# Altium PCB PANNEL-BOARD.PcbDoc
Units mil, origin at the board's own origin, x right, y up, seen from the top; angles counter-clockwise.
Board outline 2283.74 x 2984.53 mil, 2 copper layers (Top Layer, Bottom Layer); 4 components, 0 nets, 4 pads, 0 vias.
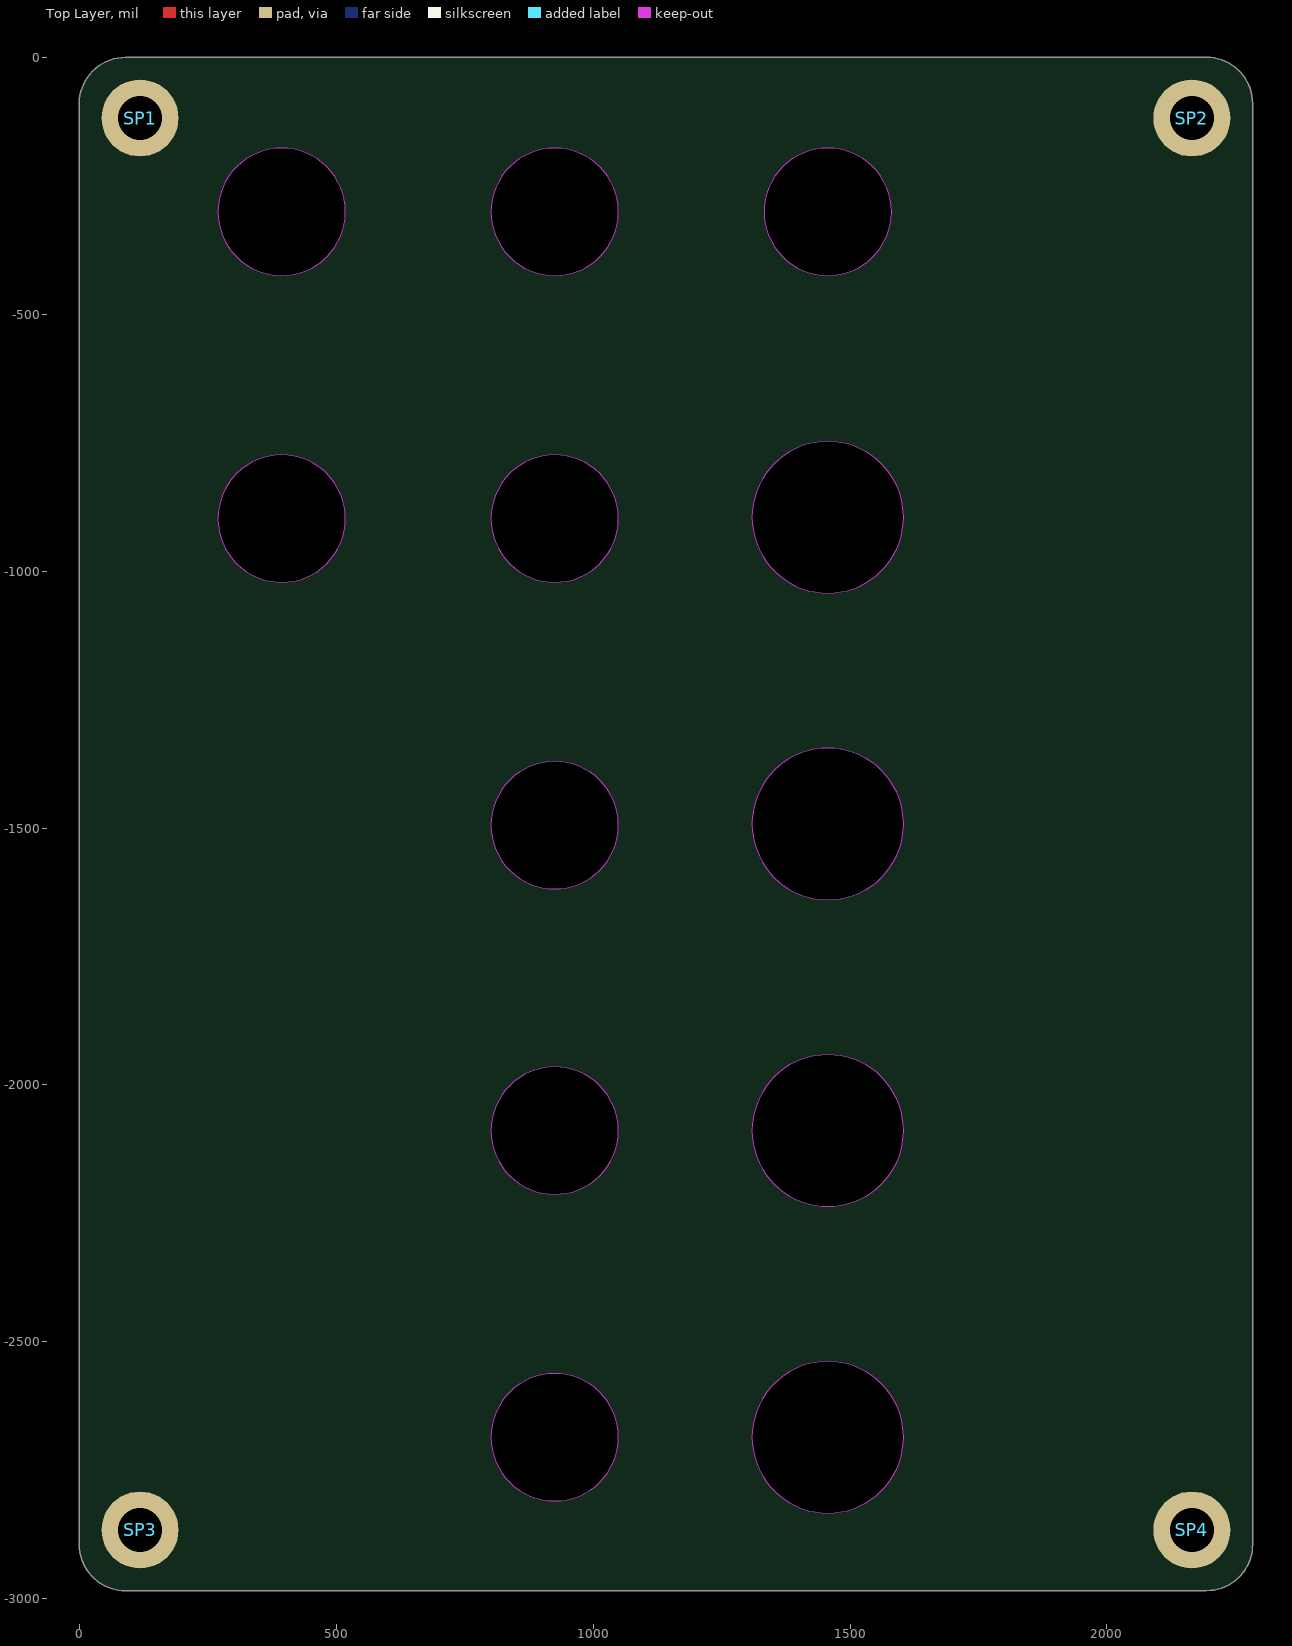
[diagram p0: Top Layer view]
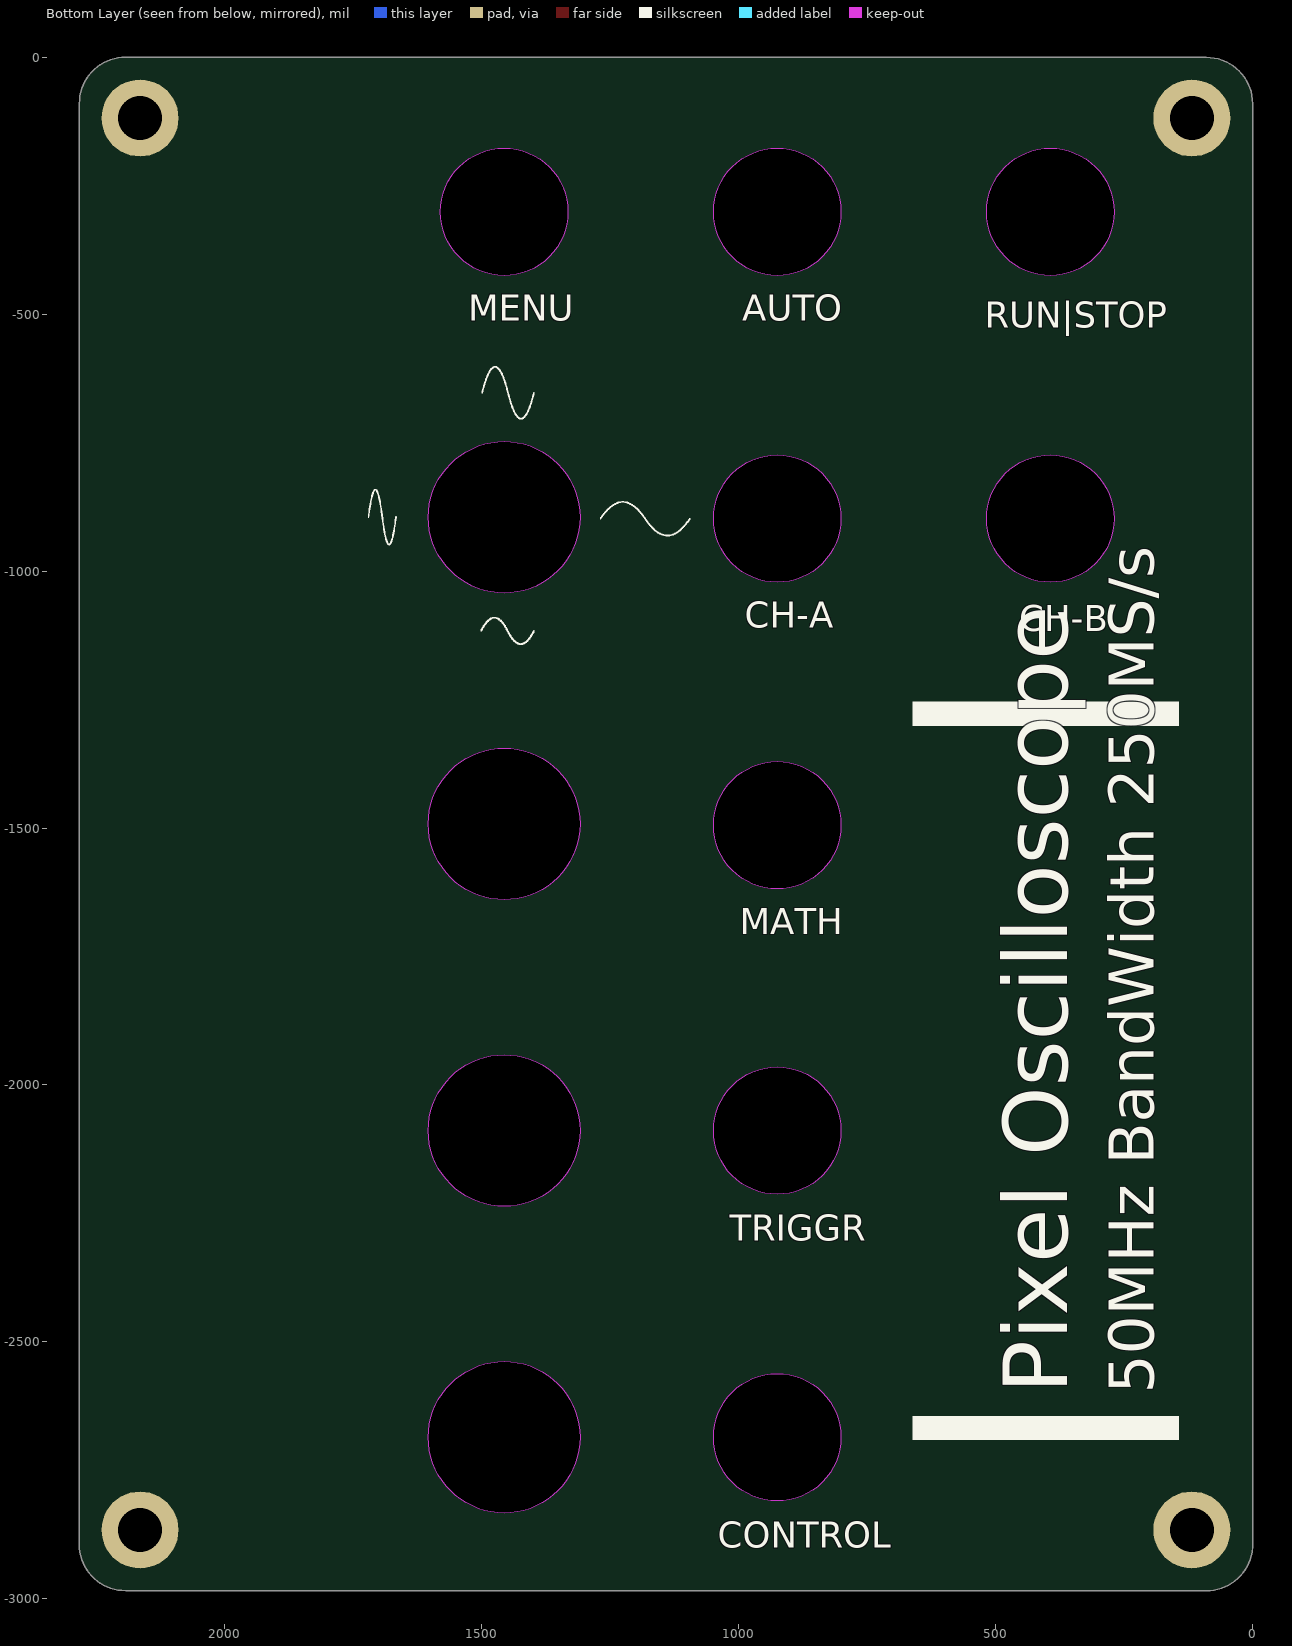
[diagram p1: Bottom Layer view, seen from below]

## Layer stack, top to bottom
Top Solder: solder mask 0.4, Solder Resist, Dk 3.5
Top Layer: signal copper 1.4
Dielectric 1: dielectric 12.6, FR-4, Dk 4.8
Bottom Layer: signal copper 1.4
Bottom Solder: solder mask 0.4, Solder Resist, Dk 3.5

## Board outline
-0.14,-2894.25 ccw(c90,-2894.25) 90,-2984.39 2193.46,-2984.25 ccw(c2193.53,-2894.18) 2283.6,-2894.25 2283.46,-90 ccw(c2193.4,-89.93) 2193.46,0.14 90,0 ccw(c89.93,-90.07) -0.14,-90
cut-out: 1332.68,-300.79 ccw(c1456.69,-300.79) 1456.69,-424.8 ccw(c1456.69,-300.79) 1580.71,-300.79 ccw(c1456.69,-300.79) 1456.69,-176.77 ccw(c1456.69,-300.79)
cut-out: 269.69,-300.79 ccw(c393.7,-300.79) 393.7,-424.8 ccw(c393.7,-300.79) 517.72,-300.79 ccw(c393.7,-300.79) 393.7,-176.77 ccw(c393.7,-300.79)
cut-out: 801.18,-300.79 ccw(c925.2,-300.79) 925.2,-424.8 ccw(c925.2,-300.79) 1049.21,-300.79 ccw(c925.2,-300.79) 925.2,-176.77 ccw(c925.2,-300.79)
cut-out: 269.69,-897.64 ccw(c393.7,-897.64) 393.7,-1021.65 ccw(c393.7,-897.64) 517.72,-897.64 ccw(c393.7,-897.64) 393.7,-773.62 ccw(c393.7,-897.64)
cut-out: 801.18,-897.64 ccw(c925.2,-897.64) 925.2,-1021.65 ccw(c925.2,-897.64) 1049.21,-897.64 ccw(c925.2,-897.64) 925.2,-773.62 ccw(c925.2,-897.64)
cut-out: 801.18,-1494.49 ccw(c925.2,-1494.49) 925.2,-1618.5 ccw(c925.2,-1494.49) 1049.21,-1494.49 ccw(c925.2,-1494.49) 925.2,-1370.47 ccw(c925.2,-1494.49)
cut-out: 801.18,-2088.83 ccw(c925.2,-2088.83) 925.2,-2212.85 ccw(c925.2,-2088.83) 1049.21,-2088.83 ccw(c925.2,-2088.83) 925.2,-1964.82 ccw(c925.2,-2088.83)
cut-out: 801.18,-2685.68 ccw(c925.2,-2685.68) 925.2,-2809.7 ccw(c925.2,-2685.68) 1049.21,-2685.68 ccw(c925.2,-2685.68) 925.2,-2561.67 ccw(c925.2,-2685.68)
cut-out: 1309.05,-2685.69 ccw(c1456.69,-2685.69) 1456.69,-2833.33 ccw(c1456.69,-2685.69) 1604.33,-2685.69 ccw(c1456.69,-2685.69) 1456.69,-2538.05 ccw(c1456.69,-2685.69)
cut-out: 1309.05,-2088.84 ccw(c1456.69,-2088.84) 1456.69,-2236.48 ccw(c1456.69,-2088.84) 1604.33,-2088.84 ccw(c1456.69,-2088.84) 1456.69,-1941.2 ccw(c1456.69,-2088.84)
cut-out: 1309.05,-1491.99 ccw(c1456.69,-1491.99) 1456.69,-1639.63 ccw(c1456.69,-1491.99) 1604.33,-1491.99 ccw(c1456.69,-1491.99) 1456.69,-1344.35 ccw(c1456.69,-1491.99)
cut-out: 1309.05,-895.14 ccw(c1456.69,-895.14) 1456.69,-1042.78 ccw(c1456.69,-895.14) 1604.33,-895.14 ccw(c1456.69,-895.14) 1456.69,-747.5 ccw(c1456.69,-895.14)

## Design rules (kind name [scope] priority, off if disabled: settings)
Clearance [All] p1: gap=5 ignorepadtopadclearanceinfootprint=FALSE
DiffPairsRouting [All] p1: maxlimit=15 minlimit=6 mostfreqgap=10 toplayer_minwidth=6 toplayer_maxwidth=15 toplayer_prefwidth=6 bottomlayer_minwidth=6 bottomlayer_maxwidth=15 bottomlayer_prefwidth=6 maxuncoupledlength=500
PlaneClearance [All] p1: clearance=8
PlaneConnect [All] p1: planeconnectstyle=Direct reliefexpansion=20 reliefentries=4 reliefconductorwidth=10 reliefairgap=10
PolygonConnect [All] p1: connectstyle=Direct reliefconductorwidth=10 reliefentries=4 polygonreliefangle="90 Angle" airgapwidth=10
RoomDefinition CTR_PAD [InComponentClass('CTR_PAD')] p1: confinementstyle=ConfineIn formatcopy=TRUE lockcomponents=FALSE outline 2332.75,-2606.5 3447.75,-2606.5 3447.75,-2251.5 2332.75,-2251.5
RoutingVias [All] p1: holewidth=11.81 width=19.68 viastyle="Through Hole" minholewidth=11.81 minwidth=19.68 maxholewidth=11.81 maxwidth=19.68
SolderMaskExpansion [All] p1: expansion=4 istentingtop=FALSE
Width [All] p1: maxlimit=50 minlimit=6 preferedwidth=6
27 further rules are at their usual default settings.

## Components (designator, comment, footprint, x,y, rotation, side; value= is the part's Value field where it differs from the comment)
SP1 "M2铜柱" M2 118.11,-118.11 r0 top
SP2 "M2铜柱" M2 2165.35,-118.11 r0 top
SP3 "M2铜柱" M2 118.11,-2866.14 r0 top
SP4 "M2铜柱" M2 2165.35,-2866.14 r0 top

## Footprints (in the part's own frame and the unit in brackets; to place one, negate y for a bottom-side part, rotate by r counter-clockwise, add the part's x,y. Pads: shape width x height; smd on the part's side, far side on the other; paste and mask are expansions set on the pad)
M2 [mm] "M3螺丝孔，孔125Mil，焊盘200Mil"
  round 3.81 hole 2.175: 1(0,0)

## Part data
SP1 SP2 SP3 SP4: BOM名称=铜柱, 学习资源=www.ooocke.com, 版权归属=源创客

## Nets (pads, with @x,y where several pads share a name; then routed paths per layer and width w, separated by ;. In a path a pad name is that pad's centre, name@x,y a point inside that pad or via, vN(x,y) a via of type N, cw(c..) or ccw(c..) an arc to the next point about the centre after c; other vN are vias at no path point)
pads on no net: SP1.1 SP2.1 SP3.1 SP4.1

## Silkscreen, mask and mechanical layers (free items; w line width, h text height)
Bottom Overlay:
  drawing of 880 lines, arcs and shapes, not listed
  text "AUTO" at 993.61,-529.53 h86.61
  text "MENU" at 1526.68,-529.56 h86.61
  text "RUN|STOP" at 520.89,-543.31 h86.61
  text "CH-A" at 988.6,-1126.36 h86.61
  text "CH-B" at 453.83,-1133.05 h86.61
  text "MATH" at 998.03,-1723.27 h86.61
  text "TRIGGR" at 1017.71,-2320.06 h86.61
  text "50MHz BandWidth 250MS/s" at 163,-2601 h150 r270
  text "Pixel Oscilloscope" at 320,-2601 h215 r270
  text "CONTROL" at 1040.95,-2916.91 h86.61
Top Solder:
  text "STATUS" at 2109.08,-329.11 h118.11
  text "CH - A" at 2089.77,-815.9 h118.11
  text "CH - B" at 2089.77,-1030.9 h118.11
  text "MATH" at 2075.14,-1519.6 h118.11
  text "TRIGGER" at 2124.83,-2116.4 h118.11
  text "CONTROL" at 2133.69,-2713.26 h118.11
Bottom Solder:
  text "STATUS" at 2109.08,-329.11 h118.11
  text "CH - A" at 2089.77,-815.9 h118.11
  text "CH - B" at 2089.77,-1030.9 h118.11
  text "MATH" at 2075.14,-1519.6 h118.11
  text "TRIGGER" at 2124.83,-2116.4 h118.11
  text "CONTROL" at 2133.69,-2713.26 h118.11
Mechanical 1:
  circle w8: c1456.69,-300.79 r124.02
  circle w8: c925.2,-300.79 r124.02
  circle w8: c393.7,-300.79 r124.02
  circle w8: c393.7,-897.64 r124.02
  circle w8: c925.2,-2685.68 r124.02
  circle w8: c925.2,-2088.83 r124.02
  circle w8: c925.2,-1494.49 r124.02
  circle w8: c925.2,-897.64 r124.02
  circle w8: c1456.69,-2685.69 r147.64
  circle w8: c1456.69,-895.14 r147.64
  circle w8: c1456.69,-1491.99 r147.64
  circle w8: c1456.69,-2088.84 r147.64
  lines w10: -0.14,-2894.25 ccw(c90,-2894.25) 90,-2984.39 ; -0.14,-90 cw(c90,-90) 90,0.14 ; 0,-2894.25 0,-90 ; 90,-2984.25 2193.46,-2984.25 ; 90,0 2193.46,0 ; 2193.46,-2984.39 ccw(c2193.46,-2894.25) 2283.6,-2894.25 ; 2193.46,0.14 cw(c2193.46,-90) 2283.6,-90 ; 2283.46,-2894.25 2283.46,-90